# Altium PCB Nixie_MCU.PcbDoc (part 2 of 2)
Units mm, origin at the board's own origin, x right, y up, seen from the top; angles counter-clockwise.
Board outline 188 x 42 mm, 4 copper layers (Signal Layer 1, Layer 1, Layer 2, Bottom Layer), stack 1.466 mm thick; 180 components, 100 nets, 460 pads, 258 vias.
Unrouted connection lines stored in the file: 2.
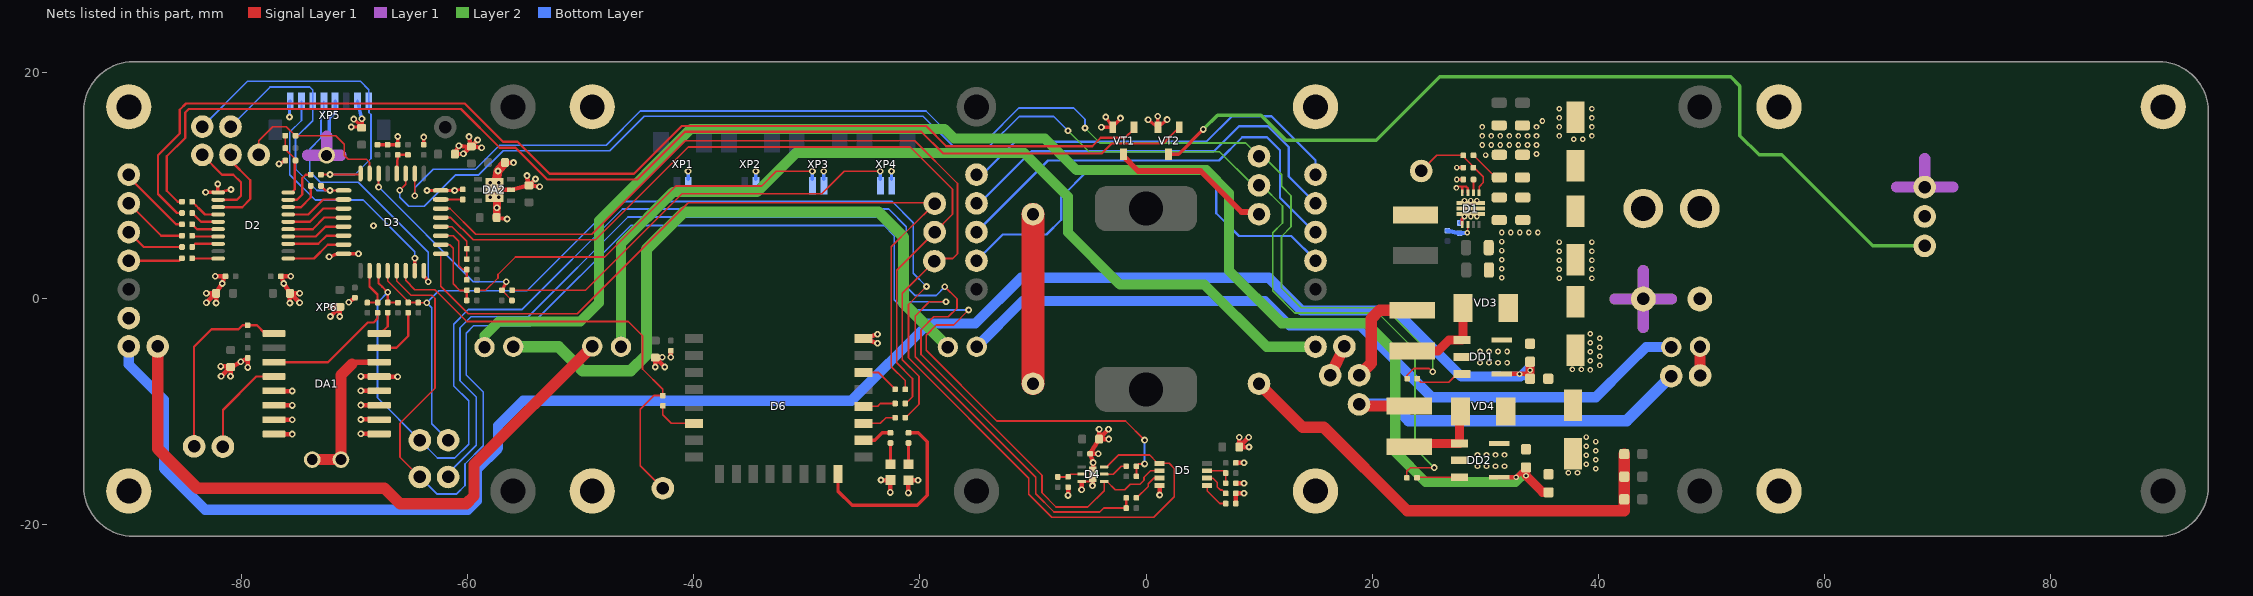
[diagram p4: the nets of this part, all layers, seen from the top]

## Via types
v1: diameter 0.6, hole 0.3, Signal Layer 1 to Bottom Layer, tented both sides, 153 vias
v2: diameter 0.5, hole 0.25, Signal Layer 1 to Bottom Layer, tented both sides, 101 vias
v3: diameter 0.6, hole 0.3, Signal Layer 1 to Bottom Layer, 4 vias

## Nets (pads, with @x,y where several pads share a name; then routed paths per layer and width w, separated by ;. In a path a pad name is that pad's centre, name@x,y a point inside that pad or via, vN(x,y) a via of type N, cw(c..) or ccw(c..) an arc to the next point about the centre after c; other vN are vias at no path point) (continued)
BTN_3: R38.1 XP3.1 | length 34.9
  Signal Layer 1 w0.15: R38.1@-59.189,0.766 -58.434,0.766 -57.341,1.859 -57.341,2.159 -55.783,3.717 -47.891,3.717 -41.607,10 -34,10 -32.701,11.299 v1(-29.515,11.299)
  Bottom Layer w0.3: XP3.1@-29.515,10.578 v1(-29.515,11.299)
BTN_4: R45.1 XP4.1 | length 37.7
  Signal Layer 1 w0.15: R45.1@-56.087,0.772 -55.228,0.772 -49.59,0.772 -41.05,9.311 -28.689,9.311 -26.701,11.299 v1(-23.515,11.299)
  Bottom Layer w0.3: XP4.1@-23.515,10.578 v1(-23.515,11.299)
DIMM_LED_1: D3.2 R5.1 XS41.1 | length 118.3
  Signal Layer 1 w0.15: v1(-64.708,9.13) -64.7,9.75 D3.2@-64.7,11.1 ; R5.1@23.1,-7.05 23.1,-6.75 23.7,-6.15 25.075,-6.15 v1(25.375,-6.45)
  Layer 2 w0.15: v1(-5.4,15.125) -4.075,13.8 8.825,13.8 XS41.1@10,12.625 10.375,12.625 12,11 12,9.958 12.828,9.129 12.828,6.377 11.983,5.532 11.983,0.984 13.751,-0.784 21.111,-0.784 25.375,-5.048 v1(25.375,-6.45)
  Bottom Layer w0.15: v1(-64.708,9.13) -64.708,9.842 -63.075,11.475 -59.325,11.475 -57.2,13.6 -47.761,13.6 -44.734,16.626 -19.471,16.626 -16.944,14.1 -14.05,14.1 -11.25,16.9 -6.4,16.9 -5.4,15.9 v1(-5.4,15.125)
DIMM_LED_2: D3.3 R57.1 XS62.1 | length 126.4
  Signal Layer 1 w0.15: v1(-66.025,9.625) -65.5,10.15 D3.3@-65.5,11.1 ; R57.1@23.075,-15.825 23.075,-15.25 23.4,-14.925 v1(25.5,-14.925)
  Layer 2 w0.15: v1(-6.9,14.875) -5.05,13.025 6.5,13.025 9.475,10.05 XS62.1@10,10.05 10.256,10.05 12.076,8.23 12.076,6.717 11.209,5.849 11.209,0.716 13.17,-1.245 20.53,-1.245 23.798,-4.513 23.798,-13.223 v1(25.5,-14.925)
  Bottom Layer w0.15: v1(-66.025,9.625) -66.025,9 -65.225,8.2 -63.85,8.2 -61.075,10.975 -59.025,10.975 -56.875,13.125 -47.45,13.125 -44.399,16.176 -19.726,16.176 -17.05,13.5 -13.875,13.5 -11.225,16.15 -8.175,16.15 v1(-6.9,14.875)
DIN: XS30.1 XS36.1 | length 35
  Bottom Layer w0.2: XS30.1@-15,11 -14.5,11 -11.6,13.9 5.325,13.9 7.6,16.175 11.094,16.175 15,12.269 XS36.1@15,11
DIN_3.3V: D2.5 D3.12 | length 5.3
  Signal Layer 1 w0.2: D2.5@-75.9,6.175 -73.725,6.175 -72.7,7.2 D3.12@-71,7.2
DIN_5V: R10.2 XS6.1 | length 6.7
  Signal Layer 1 w0.2: XS6.1@-90,11 -90,10.781 -85.819,6.6 R10.2@-85.3,6.6
EN_VCC3.3: D1.8 R1.1 R2.2 XS51.1 | length 8.5
  Signal Layer 1 w0.15: XS51.1@24.35,11.325 25.729,12.704 R2.2@28.073,12.704 28.073,12.602 29.85,10.825 29.85,10.31 29.477,9.937 D1.8@29.477,9.4
GND: C1.1 C2.1 C3.1 C4.1 C5.2 C6.2 C7.2 C8.1 C9.1 C10.1 C11.1 C12.1 C13.1 C14.1 C15.1 C16.1 C17.1 C18.1 C19.1 C20.1 C21.1 C22.1 C23.1 C24.1 C25.1 C26.1 C27.1 C28.1 C29.1 C30.1 C31.1 C32.1 C33.1 C34.1 C35.1 C36.1 C37.2 D1.3 D1.4 D1.10 D1.11 D2.11 D3.16 D3.32 D4.3 D4.7 D5.4 D6.24 DA1.5 DA1.6 DA1.7 DA1.8 DA1.9 DA1.10 DA1.11 DA1.12 DA1.13 DA2.2 DA2.7 DD1.2 DD2.2 pad.16@15,17 pad.16@15,-17 pad.16@44,8 pad.16@56,17 pad.16@56,-17 pad.16@-49,17 pad.16@-49,-17 pad.16@-90,17 pad.16@-90,-17 R1.2 R3.2 R6.1 R18.2 R28.1 R31.2 R32.2 R33.2 VD1.2 VD2.2 VT1.2 VT2.2 XP1.2 XP2.2 XP3.2 XP4.2 XP5.1 XP5.5 XP5.7 XP6.2 XS2.1 XS8.1 XS23.1 | length 138.3
  Signal Layer 1 w0.2: D4.3@-5.695,-16.15 -5.014,-16.15 D4.7@-4.729,-15.865 ; v2(27.464,9.828) 27.586,9.95 27.977,9.95 ; D1.11@27.977,9.4 27.977,9.95 ; D1.10@28.477,9.4 28.477,9.792 28.319,9.95 27.977,9.95
  Signal Layer 1 w0.25: v2(27.496,11.624) R1.2@28.07,11.624 ; v2(27.499,10.568) C3.1@28.073,10.568 ; D1.4@27.97,6.606 27.97,7.094 v2(28.177,7.3)
  Signal Layer 1 w0.3: v1(-83.206,9.437) D2.11@-82.485,9.437 ; v1(-82.134,10.171) -82.134,9.45 D2.11@-82.105,9.42 ; D2.11@-82.1,9.425 v1(-80.963,9.683) ; v1(-76.71,11.952) -76.25,12.19 R6.1@-76.15,12.25 ; v1(-72.277,3.729) D3.16@-71.5,4 ; D3.16@-70.4,4 v1(-69.679,4) ; v1(-70.313,15.21) C19.1@-69.592,15.21 ; v1(-70.089,15.913) C19.1@-69.391,15.304 ; v1(-69.378,15.94) C19.1@-69.313,15.202 ; C18.1@-68,13.65 C17.1@-67.1,13.65 C14.1@-66.379,13.65 ; C14.1@-66.2,13.65 v1(-66.2,14.371) ; C15.1@-63.907,13.648 v1(-63.896,14.325) ; v1(-63.621,9.6) D3.32@-62.9,9.6 ; D3.32@-61.9,9.6 v1(-61.179,9.6) R18.2@-60.456,9.703 ; v1(-3.943,15.197) VT1.2@-2.95,15.2 ; v1(-3.564,16.101) VT1.2@-2.95,15.2 ; v1(-2.26,16.002) VT1.2@-2.95,15.2 ; v1(0.185,15.859) VT2.2@1.05,15.2 ; v1(1.049,16.166) VT2.2@1.05,15.2 ; v1(1.867,15.866) VT2.2@1.05,15.2
  Signal Layer 1 w0.4: v1(-83.137,-0.333) -82.304,0.5 v1(-83.137,0.5) ; v1(-82.362,2) -81.529,2 v1(-81.737,1.368) C12.1@-82.275,0.5 v1(-82.275,-0.362) ; v1(-81.862,-5.971) C21.1@-81,-5.971 ; v1(-81.833,-6.833) -81,-6 v1(-81,-6.833) ; C21.1@-80.691,-5.909 v1(-80.088,-5.565) C20.1@-79.485,-5.222 v1(-79.485,-6.055) ; DA1.8@-76.365,-11.958 v1(-75.532,-11.958) ; DA1.7@-76.365,-10.688 v1(-75.532,-10.688) ; DA1.6@-76.365,-9.418 v1(-75.532,-9.418) ; DA1.5@-76.365,-8.148 v1(-75.532,-8.148) ; v1(-75.75,-0.362) C9.1@-75.75,0.5 v1(-76.288,1.368) -76.496,2 v1(-75.663,2) ; v1(-74.888,-0.333) -75.721,0.5 v1(-74.888,0.5) ; v1(-72.196,-0.695) C16.1@-71.334,-0.695 ; v1(-72.167,-1.557) -71.334,-0.724 v1(-71.334,-1.557) ; v1(-70.547,-0.285) C13.1@-69.994,0.109 ; v1(-69.468,-11.932) DA1.9@-68.635,-11.932 ; v1(-69.468,-10.662) DA1.10@-68.635,-10.662 ; v1(-69.468,-9.392) DA1.11@-68.635,-9.392 ; v1(-69.468,-8.122) DA1.12@-68.635,-8.122 ; v1(-69.468,-6.852) DA1.13@-68.635,-6.852 ; DA1.13@-67.055,-6.878 v1(-66.222,-6.878) ; C26.1@-61.178,12.82 -61.172,12.831 v1(-60.796,13.555) C30.1@-59.879,13.429 ; C26.1@-61.149,12.82 v1(-60.398,12.839) C30.1@-59.84,13.405 ; v1(-59.901,14.362) C30.1@-59.729,13.5 ; v1(-59.142,14.066) C30.1@-59.7,13.5 v1(-58.783,13.374) ; DA2.7@-57.647,9.642 DA2.2@-56.197,9.642 C27.1@-54.6,10.05 v1(-54.772,10.912) ; C28.1@-57.479,7.2 -57.479,7.201 -57.451,7.734 v1(-57.434,8.074) ; C28.1@-57.45,7.2 v1(-56.533,7.074) ; C29.1@-56.723,12.073 v1(-55.966,12.064) ; v1(-54.013,10.616) -54.571,10.05 v1(-53.654,9.924) ; v1(-43.416,-6.024) C31.1@-43.416,-5.19 ; v1(-42.808,-5.156) -43.382,-5.156 C31.1@-43.416,-5.19 ; v1(-42.583,-6.024) C31.1@-43.416,-5.19 ; v1(-42.047,-5.148) C32.1@-42.04,-4.579 ; v1(-23.753,-3.916) -24.993,-3.522 v1(-23.753,-3.127) ; v1(-23.444,-16.021) VD1.2@-22.61,-16.021 ; v1(-22.637,-17.12) VD1.2@-22.637,-16.287 ; v1(-21.023,-17.164) VD2.2@-21.023,-16.33 ; VD2.2@-21.011,-16.036 v1(-20.178,-16.036) ; v1(-6.898,-17.381) R28.1@-6.895,-16.646 ; v1(-5.698,-16.884) D4.3@-5.695,-16.232 ; v1(-4.732,-16.518) D4.7@-4.729,-15.865 ; D4.7@-4.681,-15.128 v1(-4.678,-14.476) C24.1@-4.95,-13.7 ; v1(-4.216,-13.703) C24.1@-4.95,-13.7 ; v1(-4.15,-11.538) -4.15,-12.371 v1(-3.317,-11.538) ; v1(-3.288,-12.4) C22.1@-4.15,-12.4 C24.1@-4.95,-13.7 ; v1(1.2,-17.35) D5.4@1.2,-16.627 ; R33.2@7.95,-18.1 R32.2@7.95,-17.377 ; R32.2@7.95,-17.2 v1(8.673,-17.2) ; R31.2@7.95,-16.3 v1(8.673,-16.3) ; C25.1@7.95,-14.5 v1(8.673,-14.5) ; C23.1@8.25,-13.1 v1(9.112,-13.1) ; v1(8.25,-12.238) 8.25,-13.071 v1(9.083,-12.238)
  Signal Layer 1 w0.7: C28.1@-57.45,7.2 -57.446,7.77 v1(-57.434,8.074) -57.439,9.004 -57.439,9.008 DA2.7@-57.438,9.067
  Signal Layer 1 w0.8: DA2.7@-57.647,9.642 -57.545,10.187 -57.519,10.325 v1(-57.333,11.32) C29.1@-56.723,12.073
  Layer 1 w1: -74.187,12.713 -74.184,12.71 XP6.2@-72.5,12.71 ; -72.5,14.394 XP6.2@-72.5,12.71 ; -71.249,12.71 XP6.2@-72.5,12.71 ; 41.5,0 XS2.1@44,0 ; 44,-2.5 XS2.1@44,0 ; 44,2.5 XS2.1@44,0 ; 46.5,0 XS2.1@44,0 ; 66.4,9.9 XS23.1@68.9,9.9 ; 68.9,12.4 XS23.1@68.9,9.9 ; 71.4,9.9 XS23.1@68.9,9.9
  Layer 2 w1: 41.5,0 XS2.1@44,0 ; 44,-2.5 XS2.1@44,0 ; 44,2.5 XS2.1@44,0 ; 46.5,0 XS2.1@44,0
  Bottom Layer w0.3: v1(-75.785,16.1) -75.785,17.441 XP5.1@-75.726,17.5 ; XP6.2@-72.5,12.71 -72.25,12.96 -72.25,15.971 -71.75,16.471 XP5.5@-71.75,17.5 ; XP5.7@-69.766,17.5 v1(-69.378,15.94) ; XP1.2@-40.515,10.578 v1(-40.515,11.299) ; XP2.2@-34.515,10.578 v1(-34.515,11.299) ; XP3.2@-28.515,10.578 v1(-28.515,11.299) ; XP4.2@-22.515,10.578 v1(-22.515,11.299) ; R3.2@27.75,6.725 v2(28.177,7.3)
  other v1: -68.354,6.477
  other v2: 37.376,-15.38 38.176,-15.38 39.8,-15.025 29.325,-14.8 30.125,-14.8 30.925,-14.8 31.725,-14.8 38.95,-14.625 39.8,-14.225 38.95,-13.825 29.325,-13.8 30.125,-13.8 30.925,-13.8 31.725,-13.8 39.8,-13.425 38.95,-13.025 39.8,-12.625 38.95,-12.225 39.3,-6.275 37.726,-6.23 38.526,-6.23 40.15,-5.875 29.55,-5.65 30.35,-5.65 31.15,-5.65 31.95,-5.65 39.3,-5.475 40.15,-5.075 39.3,-4.675 29.55,-4.65 30.35,-4.65 31.15,-4.65 31.95,-4.65 40.15,-4.275 39.3,-3.875 40.15,-3.475 39.3,-3.075 36.57,1.826 39.45,1.826 31.475,1.875 36.57,2.626 39.45,2.626 31.475,2.675 36.57,3.426 39.45,3.426 31.475,3.475 36.57,4.226 39.45,4.226 31.475,4.275 36.57,5.026 39.45,5.026 31.475,5.075 31.475,5.875 32.275,5.875 33.075,5.875 33.875,5.875 34.675,5.875 28.727,7.3 29.277,7.3 30.05,12.725 34.55,12.825 29.75,13.625 30.55,13.625 31.35,13.625 32.15,13.625 32.95,13.625 33.75,13.625 34.55,13.625 37.85,14.125 38.65,14.125 29.75,14.425 30.55,14.425 31.35,14.425 32.15,14.425 32.95,14.425 33.75,14.425 34.55,14.425 36.57,14.425 39.45,14.425 29.75,15.225 34.55,15.225 36.57,15.225 39.45,15.225 35.075,15.75 36.57,16.025 39.45,16.025 36.57,16.825 39.45,16.825
  other v3: -58.028,9.007 -57.266,9.007 -58.028,10.277 -57.266,10.277
I2C_SCL: D3.19 D4.4 D5.2 R13.2 R15.1 XS43.1 | length 128.6
  Signal Layer 1 w0.15: v1(-17.8,1.075) -16.715,-0.01 -16.715,-0.796 -17.503,-1.584 -18.779,-1.584 -19.91,-2.715 -19.91,-4.908 -9.205,-15.612 -9.205,-17.159 -7.958,-18.406 -5.156,-18.406 -3.705,-16.955 D4.4@-3.705,-16.15 -3.45,-16.15 -2.721,-16.879 -1.879,-16.879 -1.391,-16.391 -0.534,-16.391 -0.172,-16.029 -0.172,-15.772 0.4,-15.2 D5.2@1.2,-15.2
  Signal Layer 1 w0.2: D3.19@-67.9,2.5 -67.9,1.4 -67.583,1.083 -67.146,0.646 v1(-67.088,0.588) ; R15.1@-67.088,-0.314 v1(-67.088,0.588) ; R15.1@-67.013,-0.324 R13.2@-66.187,-0.324
  Bottom Layer w0.15: v1(-67.088,0.588) -67.942,-0.265 ccw(c-67.8,-0.406) -68,-0.406 -68,-8.75 XS43.1@-64.25,-12.5 -62.682,-14.068 -61.159,-14.068 -59.933,-12.842 -59.933,-9.017 -61.252,-7.698 -61.252,-2.227 -59.95,-0.925 -55.2,-0.925 -46.32,7.955 -22.762,7.955 -21.206,6.398 -21.206,1.073 -20.431,0.298 -18.577,0.298 v1(-17.8,1.075)
I2C_SDA: D3.20 D4.6 D5.1 R12.2 R16.1 XS42.1 | length 119.5
  Signal Layer 1 w0.15: D3.20@-67.1,2.5 -67.1,1.589 -65.334,-0.177 -65.287,-0.177 -65.141,-0.176 R16.1@-65.286,-0.318 R12.2@-64.389,-0.318 ; R12.2@-64.533,-0.343 v1(-63.636,-0.343) ; v1(-19.425,1.1) -21.011,-0.486 -21.011,-5.201 -10.362,-15.85 -10.362,-17.275 -8.33,-19.306 0.694,-19.306 2.5,-17.5 2.5,-15 2.05,-14.55 D5.1@1.2,-14.55 ; D4.6@-3.705,-14.85 -3.473,-14.85 -2.423,-13.8 0.308,-13.8 D5.1@0.978,-14.47
  Bottom Layer w0.15: XS42.1@-61.75,-12.5 -63.207,-11.043 -63.207,-0.771 v1(-63.636,-0.343) -62.568,0.725 -54.77,0.725 -46.876,8.619 -22.465,8.619 -20.603,6.757 -20.603,2.278 v1(-19.425,1.1)
I\N\T\\/SQW: D3.18 R11.2 R17.1 | length 4
  Signal Layer 1 w0.2: R11.2@-68.891,-0.32 -67.992,-0.32 R17.1@-67.988,-0.316 -67.988,0.388 -68.7,1.1 D3.18@-68.7,2.5
INS_EN_3.3V: D2.6 D3.11 | length 5.4
  Signal Layer 1 w0.2: D2.6@-75.9,6.825 -73.975,6.825 -72.8,8 D3.11@-71,8
INS_EN_5V: D2.15 R23.2 | length 2.6
  Signal Layer 1 w0.2: R23.2@-84.395,7.603 -83.618,6.825 D2.15@-82.1,6.825
INT_OPT: D3.21 R34.2 R36.1 XS44.1 | length 129.7
  Signal Layer 1 w0.15: D3.21@-66.3,2.5 -66.3,1.595 -65.037,0.332 -63.198,0.332 -62.905,0.038 -62.905,-7.905 -66,-11 -66,-14 XS44.1@-64.25,-15.75 ; v1(-15.7,-0.975) -17.025,-2.3 -18.55,-2.3 -19.45,-3.2 -19.45,-4.55 -13.2,-10.8 -1.809,-10.8 v1(-0.122,-12.487)
  Signal Layer 1 w0.2: R36.1@-0.85,-15.7 R34.2@-0.85,-14.8 -0.647,-14.597 v1(-0.123,-14.597)
  Bottom Layer w0.15: XS44.1@-64.25,-15.75 -62.75,-17.25 -61,-17.25 -60.25,-16.5 -60.25,-14.6 -58.644,-12.994 -58.644,-8.231 -60.15,-6.725 -60.15,-3.025 -59.5,-2.375 -54.479,-2.375 -45.602,6.502 -23.185,6.502 -22.282,5.599 -22.282,-0.068 -21.375,-0.975 v1(-15.7,-0.975)
  Bottom Layer w0.2: v1(-0.123,-14.597) v1@-0.123,-12.488
JDY_PWRC: D3.25 R50.1 XS47.1 | length 70.2
  Signal Layer 1 w0.15: D3.25@-62.4,4 -62.4,1.133 -59.957,-1.31 -50.31,-1.31 -40.489,8.511 -18.758,8.511 XS47.1@-18.686,8.438 -20.72,6.404 -20.746,6.404 -22.532,4.618 -22.532,-5.992 -21.306,-7.219 R50.1@-21.306,-7.994
JDY_STAT: D3.22 R49.1 XS48.1 | length 40.2
  Signal Layer 1 w0.15: D3.22@-65.5,2.5 -65.5,1.64 -64.687,0.827 -62.924,0.827 -62.621,0.524 -60.097,-2 -45.8,-2 -44.55,-3.25 -44.55,-6.2 -42.75,-8 R49.1@-42.75,-8.55 -43.55,-8.55 -44.75,-9.75 -44.75,-14.75 XS48.1@-42.75,-16.75
NetC3_2: C3.2 D1.9 | length 1.2
  Signal Layer 1 w0.2: C3.2@28.973,10.568 28.977,10.418 28.977,9.795 cw(c28.477,9.792) 28.977,9.792 D1.9@28.977,9.4
NetC14_2: C14.2 D3.4 R19.2 | length 2.6
  Signal Layer 1 w0.2: D3.4@-66.3,11.1 C14.2@-66.2,12.75 R19.2@-65.3,12.75
NetD1_2: D1.2 L1.1
NetD1_5: D1.5 R3.1 R4.2 | length 2.5
  Signal Layer 1 w0.15: v2(28.427,5.861) 28.468,6.375 D1.5@28.477,6.6
  Bottom Layer w0.4: R4.2@26.675,6.025 R3.1@27.75,5.825 v2(28.427,5.861)
NetD2_16: D2.16 R10.1 | length 2.5
  Signal Layer 1 w0.2: R10.1@-84.4,6.6 -83.975,6.175 D2.16@-82.1,6.175
NetD2_17: D2.17 R9.1 | length 2.3
  Signal Layer 1 w0.2: R9.1@-84.4,5.6 -84.325,5.525 D2.17@-82.1,5.525
NetD2_18: D2.18 R8.1 | length 2.4
  Signal Layer 1 w0.2: R8.1@-84.4,4.6 -84.125,4.875 D2.18@-82.1,4.875
NetD2_20: D2.20 R7.1 | length 2.3
  Signal Layer 1 w0.2: R7.1@-84.4,3.6 -84.375,3.575 D2.20@-82.1,3.575
NetD3_6: D3.6 R41.2 R45.2 | length 18.1
  Signal Layer 1 w0.15: R45.2@-56.987,0.772 -56.987,0.755 R41.2@-56.099,-0.132
  Signal Layer 1 w0.2: v1@-67.9,9.916 D3.6@-67.9,11.1
  Signal Layer 1 w0.3: R45.2@-56.987,0.772 -56.599,1.511 v1(-56.603,1.518)
  Bottom Layer w0.15: v1(-67.9,9.9) -59.518,1.518 v1(-56.603,1.518)
NetD3_7: D3.7 R46.2 XS46.1 | length 14.4
  Signal Layer 1 w0.15: XS46.1@-78.5,12.75 -78.5,14 -77.25,15.25 -76.056,15.25 R46.2@-75.258,14.453 ; R46.2@-75.25,14.453 -71.703,14.453 -70.943,13.693 -70.943,12.714 -70.59,12.361 -68.968,12.361 -68.7,12.093 D3.7@-68.7,11.1
NetD3_26: D3.26 R38.2 R42.2 | length 6.7
  Signal Layer 1 w0.15: D3.26@-62.4,4.8 -61.6,4.8 -61.3,4.5 -61.3,1.341 -60.711,0.753 R38.2@-60.102,0.753
  Signal Layer 1 w0.2: R42.2@-60.102,-0.132 R38.2@-60.102,0.753
NetD3_27: D3.27 R39.2 R43.2 | length 5.7
  Signal Layer 1 w0.15: D3.27@-62.4,5.6 -61.3,5.6 -60.8,5.1 -60.8,2.945 -60.455,2.6 R43.2@-60.1,2.6
  Signal Layer 1 w0.2: R43.2@-60.1,2.6 -60.094,2.594 R39.2@-60.094,1.688
NetD3_28: D3.28 R40.2 R44.2 | length 4.4
  Signal Layer 1 w0.15: D3.28@-62.4,6.4 -61.4,6.4 -60.102,5.102 R40.2@-60.102,3.519
NetD3_31: D3.31 R18.1 | length 2
  Signal Layer 1 w0.2: D3.31@-62.4,8.8 R18.1@-60.45,8.8
NetD4_2: D4.2 R28.2 R29.2 | length 2.2
  Signal Layer 1 w0.15: R29.2@-7.8,-15.75 -7.796,-15.746 R28.2@-6.895,-15.746 -6.648,-15.5 D4.2@-5.695,-15.5
NetD4_5: D4.5 R34.1 | length 2.2
  Signal Layer 1 w0.15: D4.5@-3.705,-15.5 -2.9,-15.5 -2.2,-14.8 R34.1@-1.75,-14.8
NetD5_3: D5.3 R35.1 | length 2.9
  Signal Layer 1 w0.15: R35.1@-0.85,-17.6 -0.818,-17.6 0.195,-16.587 0.195,-16.337 0.682,-15.85 D5.3@1.2,-15.85
NetD5_5: D5.5 R33.1 | length 2.6
  Signal Layer 1 w0.15: D5.5@5.39,-16.5 5.416,-16.526 5.416,-16.991 6.525,-18.1 R33.1@7.05,-18.1
NetD5_6: D5.6 R32.1 | length 2.5
  Signal Layer 1 w0.15: D5.6@5.393,-15.853 5.928,-15.853 6.311,-16.236 6.311,-16.638 6.569,-16.896 6.737,-16.896 ccw(c6.9,-16.45) 6.751,-16.901 R32.1@7.05,-17.2
NetD5_7: D5.7 R30.1 R31.1 | length 2.6
  Signal Layer 1 w0.15: D5.7@5.39,-15.2 6.85,-15.2 R30.1@7.05,-15.4 R31.1@7.05,-16.3
NetD6_6: D6.6 R49.2 | length 3.9
  Signal Layer 1 w0.15: R49.2@-42.75,-9.45 -42.75,-10.25 -42,-11 D6.6@-40,-11
NetD6_16: D6.16 R51.2 | length 17
  Signal Layer 1 w0.3: D6.16@-27.25,-15.5 -27.25,-17 -26,-18.25 -20.25,-18.25 -19.355,-17.355 -19.355,-12.645 -20.15,-11.85 R51.2@-21.011,-11.85
NetD6_18: D6.18 R52.2 | length 2.7
  Signal Layer 1 w0.3: D6.18@-25,-12.5 -24,-12.5 -23.35,-11.85 R52.2@-22.61,-11.85
NetD6_19: D6.19 R47.2 | length 3
  Signal Layer 1 w0.15: D6.19@-25,-11 -23.5,-11 -23,-10.5 R47.2@-22.2,-10.5
NetD6_20: D6.20 R48.2 | length 2.9
  Signal Layer 1 w0.15: D6.20@-25,-9.5 -23.75,-9.5 -23.5,-9.25 R48.2@-22.2,-9.25
NetD6_22: D6.22 R50.2 | length 3.4
  Signal Layer 1 w0.15: D6.22@-25,-6.5 -23.7,-6.5 R50.2@-22.2,-8
NetDA1_1: DA1.1 R14.2 XS21.1 | length 17
  Signal Layer 1 w0.2: XS21.1@-84.223,-13.045 -84.223,-4.223 -82.682,-2.682 -80.292,-2.682 -79.932,-2.322 R14.2@-79.485,-2.322 ; R14.2@-79.485,-2.332 -78.668,-2.332 -77.945,-3.055 DA1.1@-77.155,-3.055
NetDA1_3: DA1.3 R17.2 | length 11.3
  Signal Layer 1 w0.2: DA1.3@-77.155,-5.595 -72.383,-5.595 -68.864,-2.076 -68.326,-2.076 -67.988,-1.738 R17.2@-67.988,-1.216
NetDA1_4: DA1.4 XS20.1 | length 9
  Signal Layer 1 w0.2: XS20.1@-81.673,-13.067 -81.673,-9.817 -78.72,-6.865 DA1.4@-77.155,-6.865
NetDA1_14: DA1.14 XP6.1 | length 13.9
  Signal Layer 1 w0.5: -70.25,-5.75 -70.095,-5.595 DA1.14@-67.845,-5.595
  Signal Layer 1 w1: XP6.1@-73.77,-14.21 XP6.1@-71.23,-14.21 -71.23,-6.73 -70.25,-5.75
NetDA1_15: DA1.15 R16.2 | length 5.1
  Signal Layer 1 w0.2: DA1.15@-67.845,-4.325 -66.325,-4.325 -65.286,-3.286 R16.2@-65.286,-1.218
NetDA1_16: DA1.16 R15.2 | length 2.2
  Signal Layer 1 w0.2: DA1.16@-67.845,-3.055 -67.722,-3.055 -67.088,-2.421 R15.2@-67.088,-1.214
NetDD1_1: DD1.1 L2.1 VD3.1 | length 7.7
  Signal Layer 1 w0.8: L2.1@23.55,-4.6 25.85,-4.6 26.825,-3.625 DD1.1@27.975,-3.625 28.05,-3.55 VD3.1@28.05,-0.8
NetDD1_3: DD1.3 R5.2 | length 4.4
  Signal Layer 1 w0.15: R5.2@24,-7.05 24.325,-7.375 26.775,-7.375 27.525,-6.625 DD1.3@27.975,-6.625
NetDD1_4: DD1.4 R53.1 R54.1 XS15.1 | length 153.8
  Signal Layer 1 w0.4: DD1.4@31.48,-6.625 33.55,-6.625 R54.1@33.989,-7.063
  Signal Layer 1 w0.8: R54.1@33.989,-7.063 v2(33.989,-6.312) R53.1@33.988,-5.561
  Bottom Layer w0.9: XS15.1@-90,-4.2 -90,-5.8 -86.9,-8.9 -86.9,-15 -83.25,-18.65 -60,-18.65 -59.2,-17.85 -59.2,-15.075 -57.325,-13.2 -57.325,-11.2 -55.125,-9 -26.075,-9 -19.25,-2.175 -15.094,-2.175 -11.039,1.88 10.876,1.88 13.786,-1.03 22.067,-1.03 27.912,-6.875 33.15,-6.875 v2@33.851,-6.174
  other v2: 33.05,-6.65
NetDD2_1: DD2.1 L3.1 VD4.1 | length 7.4
  Signal Layer 1 w0.8: L3.1@23.3,-13.075 23.6,-12.775 DD2.1@27.75,-12.775 27.75,-10.025 VD4.1@27.825,-9.95
NetDD2_3: DD2.3 R57.2 | length 3.8
  Signal Layer 1 w0.15: R57.2@23.975,-15.825 24.025,-15.775 DD2.3@27.75,-15.775
NetDD2_4: DD2.4 R55.1 R56.1 XS55.1 | length 133.3
  Signal Layer 1 w0.4: DD2.4@31.255,-15.775 v2(32.75,-15.775) R55.1@33.625,-14.9
  Signal Layer 1 w0.8: R55.1@33.625,-14.9 v2(33.625,-15.64) 35.096,-17.111 R56.1@35.613,-17.111
  Layer 2 w0.9: XS55.1@-58.532,-4.262 -58.532,-3.257 -57.275,-2 -50.05,-2 -48.4,-0.35 -48.4,6.92 -40.27,15.05 -17.825,15.05 -16.975,14.2 -8.95,14.2 -6.15,11.4 5.325,11.4 7.35,9.375 7.35,2.5 11.997,-2.147 19.497,-2.147 22.05,-4.7 22.05,-13.525 24.725,-16.2 32.7,-16.2 33.425,-15.475
NetL2_2: L2.2 XS14.1 | length 9.4
  Signal Layer 1 w1: XS14.1@18.855,-6.753 19.925,-5.683 19.925,-1.75 20.675,-1 L2.2@23.55,-1
NetL3_2: L3.2 XS35.1 XS54.1 | length 34.4
  Signal Layer 1 w1: XS35.1@18.85,-9.325 19,-9.475 L3.2@23.3,-9.475
  Bottom Layer w1: XS35.1@18.85,-9.325 21.785,-9.325 23.227,-10.767 42.533,-10.767 XS54.1@46.475,-6.825
NetR20_1: R20.1 R21.1 R22.1 XS16.1 | length 42
  Signal Layer 1 w1: XS16.1@10,-7.5 13.85,-11.35 15.725,-11.35 23.102,-18.727 42.313,-18.727 R20.1@42.313,-17.727 R21.1@42.313,-15.727 R22.1@42.313,-13.727
NetR23_1: R23.1 VT1.1 | length 101.6
  Signal Layer 1 w0.2: R23.1@-85.295,7.603 -85.73,7.603 -87.414,9.286 -87.414,12.72 -85.5,14.634 -85.5,16.75 -84.95,17.3 -60.285,17.3 -56.885,13.901 -55.601,13.901 -52.769,11.069 -45.298,11.069 -41.067,15.3 -19.442,15.3 -17.664,13.522 -4.745,13.522 -4,14.267 -1.854,14.267 -1.05,15.07 VT1.1@-1.05,15.2
NetR24_1: R24.1 VT2.1 | length 103.5
  Signal Layer 1 w0.2: R24.1@-85.297,8.606 -85.676,8.606 -86.634,9.564 -86.634,12.616 -85,14.25 -85,16.5 -84.7,16.8 -82.081,16.8 -60.613,16.8 -57.189,13.376 -55.783,13.376 -55.054,12.646 ; -55.004,12.596 -52.976,10.569 -45.017,10.569 -40.786,14.8 -19.881,14.8 -17.946,12.864 -3.912,12.864 -3.027,13.75 1.5,13.75 VT2.1@2.95,15.2
NetR35_2: R35.2 R37.1 XS45.1 | length 101.4
  Signal Layer 1 w0.15: v1(-17.7,-0.25) -19.17,-0.25 -20.426,-1.506 -20.426,-5.099 -9.75,-15.776 -9.75,-17.25 -8.144,-18.856 -4.106,-18.856 -3.75,-18.5 R37.1@-1.75,-18.5
  Signal Layer 1 w0.2: R37.1@-1.75,-18.5 R35.2@-1.75,-17.6
  Bottom Layer w0.15: XS45.1@-61.75,-15.75 -61.75,-15.431 -59.253,-12.933 -59.253,-8.672 -60.7,-7.225 -60.7,-2.55 -59.725,-1.575 -54.652,-1.575 -45.827,7.249 -22.939,7.249 -21.728,6.038 -21.728,0.451 -21.027,-0.25 v1(-17.7,-0.25)
NetR51_1: R51.1 VD2.1 | length 1.9
  Signal Layer 1 w0.3: VD2.1@-21.011,-14.636 R51.1@-21.011,-12.75
NetR52_1: R52.1 VD1.1 | length 1.9
  Signal Layer 1 w0.3: VD1.1@-22.61,-14.621 R52.1@-22.61,-12.75
NetVT1_3: VT1.3 XS19.1 | length 14.3
  Signal Layer 1 w0.5: VT1.3@-2,12.8 -2,12.63 -0.695,11.325 4.825,11.325 8.45,7.7 9.8,7.7 XS19.1@10,7.5
NetVT2_3: VT2.3 XS24.1 | length 80.3
  Signal Layer 1 w0.3: VT2.3@2,12.8 2.88,12.801 v1(5.075,15)
  Layer 2 w0.3: v1(5.075,15) 6.325,16.25 10.175,16.25 12.389,14.036 20.368,14.036 25.988,19.656 51.731,19.656 52.546,18.841 52.546,14.454 54.25,12.75 56.25,12.75 64.3,4.7 XS24.1@68.9,4.7
NetXS10_1: XS10.1 XS11.1 | length 56.9
  Signal Layer 1 w1: XS10.1@-87.445,-4.203 -87.445,-13.255 -83.95,-16.75 -67.375,-16.75 -66,-18.125 -60.15,-18.125 -59.45,-17.425 -59.45,-14.65 XS11.1@-49,-4.2
NetXS12_1: XS12.1 XS13.1 | length 82.8
  Layer 2 w0.9: XS12.1@-46.45,-4.225 -46.45,4.867 -41.865,9.452 -34.448,9.452 -31,12.9 -10.75,12.9 -6.9,9.05 -6.9,5.875 -2.309,1.284 5.166,1.284 10.675,-4.225 XS13.1@15,-4.225
NetXS17_1: XS17.1 XS18.1 | length 15
  Signal Layer 1 w2: XS17.1@-10,-7.5 XS18.1@-10,7.5
NetXS52_1: XS52.1 XS53.1 | length 2.9
  Signal Layer 1 w1: XS53.1@16.3,-6.75 XS52.1@17.555,-4.203 XS52.1@17.525,-4.233
NetXS56_1: XS56.1 XS57.1 | length 59
  Layer 2 w1: XS56.1@-55.98,-4.231 -51.969,-4.231 -49.85,-6.35 -45.6,-6.35 -44.2,-4.95 -44.2,4.392 -40.892,7.7 -23.675,7.7 -21.45,5.475 -21.45,-0.344 XS57.1@-17.532,-4.262
NetXS58_1: XS58.1 XS59.1 | length 68.5
  Bottom Layer w0.9: XS58.1@-14.98,-4.231 -10.925,-0.176 10.517,-0.176 12.693,-2.352 18.929,-2.352 25.282,-8.705 39.791,-8.705 42.692,-5.804 44.234,-4.262 XS59.1@46.468,-4.262
NetXS60_1: XS60.1 XS61.1 | length 2.5
  Signal Layer 1 w1: XS60.1@49.02,-4.231 49.02,-6.77 XS61.1@49.025,-6.775
OE: XS31.1 XS37.1 | length 37.2
  Bottom Layer w0.2: XS31.1@-15,8.46 -14.727,8.46 -10.124,13.064 6.014,13.064 8.225,15.275 10.797,15.275 12.625,13.447 12.625,10.835 XS37.1@15,8.46
OE_3.3V: D2.4 D3.13 | length 5.3
  Signal Layer 1 w0.2: D2.4@-75.9,5.525 -73.456,5.525 -72.581,6.4 D3.13@-71,6.4
OE_5V: R9.2 XS5.1 | length 5.9
  Signal Layer 1 w0.2: XS5.1@-89.96,8.5 XS5.1@-90,8.46 -87.14,5.6 R9.2@-85.3,5.6
PA2_3.3V: D2.9 R25.2 | length 3.8
  Signal Layer 1 w0.2: D2.9@-75.9,8.775 -75.125,8.775 -74.65,9.25 -74.65,10.7 -74.35,11 R25.2@-73.9,11
PA2_5V: D2.12 XS26.1 | length 7.8
  Signal Layer 1 w0.2: XS26.1@-83.5,12.75 -81.75,11 -80.75,11 -80.073,10.323 -80.073,9.127 -80.425,8.775 D2.12@-82.1,8.775
PA3_3.3V: D2.8 R26.2 | length 3.4
  Signal Layer 1 w0.2: D2.8@-75.9,8.125 -74.775,8.125 -73.9,9 R26.2@-73.9,10
PA3_5V: D2.13 XS25.1 | length 7.8
  Signal Layer 1 w0.2: D2.13@-82.1,8.125 -79.975,8.125 -79.25,8.85 -79.25,10.5 -81,12.25 XS25.1@-81,12.75
RCK: XS32.1 XS38.1 | length 39.7
  Bottom Layer w0.2: XS32.1@-15,5.92 -8.665,12.255 6.455,12.255 8.505,14.305 10.698,14.305 11.85,13.153 11.85,8.95 14.88,5.92 XS38.1@15,5.92 XS38.1@15,6.176
RCK_3.3V: D2.3 D3.14 | length 5.2
  Signal Layer 1 w0.2: D2.3@-75.9,4.875 -73.23,4.875 -72.505,5.6 D3.14@-71,5.6
RCK_5V: R8.2 XS4.1 | length 5.2
  Signal Layer 1 w0.2: XS4.1@-90,5.92 -88.68,4.6 R8.2@-85.3,4.6
SCK: XS33.1 XS39.1 | length 39.3
  Bottom Layer w0.2: XS33.1@-15,3.38 -12.68,5.7 -8.8,5.7 -7.5,7 -7.5,9 -5.1,11.4 4.8,11.4 6.225,9.975 6.225,7.575 8.225,5.575 12.861,5.575 15,3.436 XS39.1@15,3.38
SCK_3.3V: D2.1 D3.15 | length 5.4
  Signal Layer 1 w0.2: D2.1@-75.9,3.575 -73.625,3.575 -72.4,4.8 D3.15@-71,4.8
SCK_5V: R7.2 XS3.1 | length 4.8
  Signal Layer 1 w0.2: XS3.1@-90,3.38 -85.52,3.38 R7.2@-85.3,3.6
SHDN_170V_3.3V: D2.7 D3.10 | length 5.4
  Signal Layer 1 w0.2: D2.7@-75.9,7.475 -74.125,7.475 -72.8,8.8 D3.10@-71,8.8
SHDN_170V_5V: D2.14 R24.2 | length 2.8
  Signal Layer 1 w0.2: R24.2@-84.397,8.606 -84.043,8.253 -84.038,8.253 -83.745,7.96 -83.745,7.955 -83.265,7.475 D2.14@-82.1,7.475
SWCLK: D3.24 XP5.4 | length 23.6
  Signal Layer 1 w0.3: D3.24@-63.91,2.122 v1(-63.498,1.519)
  Bottom Layer w0.15: XP5.4@-72.742,17.5 -72.742,16.508 -73,16.25 -73,14.25 -74,13.25 -74,11.25 -73.066,10.316 -69.697,10.316 -63.498,4.117 v1(-63.498,1.519)
SWDIO: D3.23 XP5.2 | length 22.1
  Signal Layer 1 w0.3: D3.23@-64.69,2.878 v1(-64.69,3.599)
  Bottom Layer w0.15: XP5.2@-74.726,17.5 -74.726,15.79 -75.75,14.766 -75.75,11 -73.5,8.75 -69.25,8.75 -64.69,4.19 v1(-64.69,3.599)
TXS_OE: D2.10 R6.2 R27.1 R46.1 | length 5.8
  Signal Layer 1 w0.15: R46.1@-76.15,14.453 R27.1@-76.15,13.352 -76.15,13.258 -75.25,12.358 R6.2@-75.25,12.25
  Signal Layer 1 w0.2: D2.10@-75.9,9.425 -75.575,9.425 -75.318,9.682 R6.2@-75.318,12.25
UART1_RX: D3.9 R26.1 XP5.3 XS28.1 | length 22.4
  Signal Layer 1 w0.2: R26.1@-73,10 -72.6,9.6 D3.9@-71,9.6
  Bottom Layer w0.15: XS28.1@-81,15.25 -77.5,18.75 -74,18.75 -73.734,18.484 XP5.3@-73.734,17.5 -73.734,15.766 -75.25,14.25 -75.25,11.5 -73.35,9.6 v1(-72.2,9.6)
UART1_TX: D3.8 R25.1 XP5.8 XS27.1 | length 30.6
  Signal Layer 1 w0.2: R25.1@-73,11 -72.85,11.015 v1(-72.2,11.015) ; v1@-72.2,11.017 -69.583,11.017 D3.8@-69.5,11.1
  Bottom Layer w0.15: XS27.1@-83.5,15.25 -79.5,19.25 -69.5,19.25 -68.774,18.524 XP5.8@-68.774,17.5 -68.75,17.476 -68.75,16.5 -68.575,16.325 -68.575,12.425 -69.985,11.015 v1(-72.2,11.015)
UART2_RX: D3.30 R47.1 XS50.1 | length 76.3
  Signal Layer 1 w0.15: D3.30@-62.4,8 -61.58,8 -59.308,5.728 -49.043,5.728 -40.77,14 -20.461,14 -16.676,10.215 -16.676,4.004 -17.1,3.58 -18.478,3.58 XS50.1@-18.718,3.34 -21.557,0.501 -21.557,-5.376 -20.085,-6.848 -20.085,-9.311 -21.275,-10.5 R47.1@-21.3,-10.5
UART2_TX: D3.29 R48.1 XS49.1 | length 72.9
  Signal Layer 1 w0.15: D3.29@-62.4,7.2 -61.509,7.2 -59.536,5.227 -48.712,5.227 -40.486,13.453 -20.881,13.453 -17.126,9.698 -17.126,7.492 XS49.1@-18.706,5.913 -18.706,5.896 -22.054,2.548 -22.054,-5.659 -20.666,-7.047 -20.666,-8.657 -21.26,-9.25 R48.1@-21.3,-9.25
VIN: C1.2 C2.2 C5.1 C6.1 C7.1 C33.2 C34.2 C37.1 D1.1 DD1.5 DD2.5 pad.16@49,8 pad.16@90,17 R2.1 R53.2 R54.2 R55.2 R56.2 VD3.2 VD4.2 XS1.1 XS22.1 | length 3.1
  Signal Layer 1 w0.15: R2.1@28.973,12.704 30.923,10.755 C33.2@31.267,10.755
  other v2: 28.177,8.7 28.727,8.7 29.277,8.7
pads on no net: D1.7 D2. D3. D5. D6.2 D6.3 D6.4 D6.5 D6.7 D6.8 D6.9 D6.10 D6.11 D6.12 D6.13 D6.14 D6.15 D6.17 D6.21 D6.23 VD3. VD4. VT1. VT2. XP1.K1 XP1.K2 XP2.K1 XP2.K2 XP3.K1 XP3.K2 XP4.K1 XP4.K2 XP5.SH1 XP5.SH2

## Polygon pours and split planes (outlines as drawn)
+3.3V on Layer 2 "NONET_L-01_P-001" (solid, remove dead copper, pour order 6): -60.75,17.5 -71.5,17.5 -75.25,13.75 -75.25,10 -78.75,6.5 -80.75,6.5 -84.25,3 -84.25,-4.25 -83.599,-4.901 -78,-4.901 -78,-5.679 -69.179,-14.5 -12.5,-14.5 -10,-17 -7.5,-19.5 9.5,-19.5 11.25,-17.75 11.25,-13 9.5,-11.25 -1.75,-11.25 -2.25,-10.75 -4,-10.75 -5.75,-9 -5.75,-4.75 -7.695,-2.805 -50.445,-2.805 -58.25,5 -59.5,5 -60.5,6 -60.5,17.222
GND on Layer 2 "NONET_L-01_P-001" (solid, pour order 31): 27.583,7.941 27.575,7.933 27.575,6.539 28.307,5.807 28.307,3.378 26.359,1.43 26.359,-13.756 27.77,-15.167 32.003,-15.167 32.866,-14.304 34.731,-14.304 40.387,-19.96 90.445,-19.96 93.008,-17.396 93,-17.388 93,18 91,20 54.941,20 53.541,18.599 53.541,15.184 54.888,13.837 56.937,13.837 64.49,6.284 70.052,6.284 71.087,5.25 71.087,3.864 70.169,2.947 64.053,2.947 57,10 29.639,10 27.576,7.938
+5V on Layer 2 "NONET_L-01_P-001" (solid, pour order 30): 13.856,1.632 13.856,0.388 14.427,-0.184 23.645,-0.184 27.82,3.991 27.82,5.504 27.107,6.218 27.107,8.057 30.049,11 47.08,11 51.416,15.336 51.416,17.639 50.128,18.927 26.927,18.927 17,9 17,3 15.899,1.899 14.125,1.899 13.852,1.626
+5V on Layer 2 "NONET_L-01_P-001" (solid, pour order 7): -55.28,19.452 -55.327,19.5 -57.25,19.5 -58.5,18.25 -59.938,16.812 -59.938,6.688 -59.25,6 -53.5,6 -51.5,8 -51.5,14 -52.5,15 -52.5,18.25 -53.75,19.5 -55.5,19.5
VIN on Bottom Layer "NONET_L-01_P-001" (solid, pour order 16): 47,11 47,-0.5 48,-1.5 80.5,-1.5 92.5,10.5 92.5,18 91,19.5 65.5,19.5 58.5,12.5 48.5,12.5
GND on Signal Layer 1 "NONET_L-01_P-001" (solid, pour order 27): 29.6,1.575 40.75,1.575 45.975,6.8 45.975,9.05 45,10.025 43.125,10.025 41.525,8.425 41.525,6.975 40.075,5.525 36.275,5.525 33.825,7.975 30.825,7.975 30.277,7.427 30.277,5.527 29.35,4.6 29.35,1.825
VIN on Signal Layer 1 "Signal Layer 1-VIN" (solid, pour order 25): 30.375,-12.975 30.4,-13 32.475,-13 33.375,-13.9 34.25,-13.9 34.825,-14.475 34.825,-15.725 35.1,-16 36.025,-16 36.25,-15.775 36.25,-11.875 36.975,-11.15 50.125,-11.15 51.25,-10.025 51.25,-3.325 51.225,-3.325 51.225,10.15 48.225,13.15 36.4,13.15 34.55,11.3 30.75,11.3 30.275,10.825 30.275,8.575 30.525,8.325 34.2,8.325 36.5,6.025 39.7,6.025 40.725,7.05 40.725,8.625 42.675,10.575 45.55,10.575 46.525,9.6 46.525,6.55 42.875,2.9 42.825,2.9 41.075,1.15 30.85,1.15 30.225,0.525 30.225,-3.45 30.6,-3.825 32.8,-3.825 33.6,-4.625 34.5,-4.625 34.95,-5.075 34.95,-7.5 33.95,-8.5 31.05,-8.5 30.375,-9.175
GND on Signal Layer 1 "NONET_L-01_P-001" (solid, pour order 29): 43.25,14.3 40.025,17.525 36,17.525 34.4,15.925 29.225,15.925 28.6,15.3 28.6,14.075 29.7,12.975 29.7,12.625 30.2,12.125 34.525,12.125 36.05,13.65 43.1,13.65 43.25,13.8
+5V on Signal Layer 1 "NONET_L-01_P-001" (solid, pour order 28): 28.998,5.243 29,5.241 29,1.875 28.575,1.45 20.8,1.45 17.775,-1.575 14.5,-1.575 13.625,-0.7 13.625,1.275 14.225,1.875 16.1,1.875 16.95,2.725 16.95,14.5 21.925,19.475 50.25,19.475 51.225,18.5 51.225,15.475 49.5,13.75 44.65,13.75 40.35,18.05 35.75,18.05 34.3,16.6 29.3,16.6 26.325,13.625 23.8,13.625 20.775,10.6 20.775,6.35 22.175,4.95 26.775,4.95 27.068,5.243
GND on Layer 1 "NONET_L-01_P-001" (solid, pour order 5): -93.127,-16.586 ccw(c-89.586,-16.586) -89.586,-20.127 89.586,-20.127 ccw(c89.586,-16.586) 93.127,-16.586 93.127,16.586 ccw(c89.586,16.586) 89.586,20.127 56.414,20.127 -89.586,20.127 ccw(c-89.586,16.586) -93.127,16.586

## Other copper
Signal Layer 1:
  region net NetD1_2: 21.798,8.35 27.177,8.35 27.352,8.175 27.852,8.175 27.852,7.825 27.332,7.825 26.182,6.675 21.798,6.675
  region net GND: 37.475,-11.775 36.975,-12.275 36.975,-15.425 37.325,-15.775 39.625,-15.775 40.25,-15.15 40.25,-12.55 39.475,-11.775 39.125,-11.775
  region net GND: 37.7,-2.625 37.2,-3.125 37.2,-6.275 37.55,-6.625 39.85,-6.625 40.475,-6 40.475,-3.4 39.7,-2.625 39.35,-2.625
  pour cut-out: 36.7,-6.5 37.125,-6.925 41,-6.925 41,-3.325 39.875,-2.2 37.3,-2.2 36.7,-2.8
  region net VIN: 27.477,8.85 27.577,8.95 29.827,8.95 30.277,9.4 30.277,9.85 32.027,9.85 32.027,8.325 28.027,8.325 28.027,8.45 27.477,8.45
  region net GND: 27.477,7.15 27.577,7.05 29.827,7.05 30.277,6.6 30.277,6.15 32.027,6.15 32.027,7.675 28.027,7.675 28.027,7.55 27.477,7.55
Layer 1:
  pour cut-out: 42.197,0 ccw(c44,0) 44,-1.803 ccw(c44,0) 45.803,0 ccw(c44,0) 44,1.803 ccw(c44,0)
  pour cut-out: 67.626,9.9 ccw(c68.9,9.9) 68.9,8.626 ccw(c68.9,9.9) 70.174,9.9 ccw(c68.9,9.9) 68.9,11.174 ccw(c68.9,9.9)
  pour cut-out: -73.774,12.71 ccw(c-72.5,12.71) -72.5,11.436 ccw(c-72.5,12.71) -71.226,12.71 ccw(c-72.5,12.71) -72.5,13.984 ccw(c-72.5,12.71)
  pour cut-out: -59.034,-17 ccw(c-56,-17) -56,-20.034 ccw(c-56,-17) -52.966,-17 ccw(c-56,-17) -56,-13.966 ccw(c-56,-17)
  pour cut-out: 86.966,-17 ccw(c90,-17) 90,-20.034 ccw(c90,-17) 93.034,-17 ccw(c90,-17) 90,-13.966 ccw(c90,-17)
  pour cut-out: 45.966,-17 ccw(c49,-17) 49,-20.034 ccw(c49,-17) 52.034,-17 ccw(c49,-17) 49,-13.966 ccw(c49,-17)
  pour cut-out: -18.034,-17 ccw(c-15,-17) -15,-20.034 ccw(c-15,-17) -11.966,-17 ccw(c-15,-17) -15,-13.966 ccw(c-15,-17)
Layer 2:
  pour cut-out: 42.197,0 ccw(c44,0) 44,-1.803 ccw(c44,0) 45.803,0 ccw(c44,0) 44,1.803 ccw(c44,0)
  pour cut-out: 86.966,-17 ccw(c90,-17) 90,-20.034 ccw(c90,-17) 93.034,-17 ccw(c90,-17) 90,-13.966 ccw(c90,-17)
  pour cut-out: 45.966,-17 ccw(c49,-17) 49,-20.034 ccw(c49,-17) 52.034,-17 ccw(c49,-17) 49,-13.966 ccw(c49,-17)
  pour cut-out: -18.034,-17 ccw(c-15,-17) -15,-20.034 ccw(c-15,-17) -11.966,-17 ccw(c-15,-17) -15,-13.966 ccw(c-15,-17)
  pour cut-out: -59.034,-17 ccw(c-56,-17) -56,-20.034 ccw(c-56,-17) -52.966,-17 ccw(c-56,-17) -56,-13.966 ccw(c-56,-17)

## Silkscreen, mask and mechanical layers (free items; w line width, h text height)
Top Overlay:
  drawing of 51 lines, arcs and shapes, not listed
  text "U1_RX" at -81.909,17.353 h1.2
  text "U1_TX" at -85.784,17.328 h1.2
  text "+3.3V" at -63.63,17.154 h1.2
  text "DM_LED1" at 6.123,16.09 h1.2
  text "DM_LED2" at 6.123,14.64 h1.2
  text "VCC_5V" at -58.549,13.172 h1.2
  text "VCC_5V" at -17.554,13.015 h1.2
  text "VCC_5V" at 46.446,13.025 h1.2
  text "VIN" at 87.446,13.017 h1.2
  text "GND" at -92.549,13 h1.2
  text "GND" at -51.549,13.01 h1.2
  text "GND" at 53.451,12.99 h1.2
  text "GND" at 12.451,12.984 h1.2
  text "DIN" at -88.429,10.47 h1.2
  text "DIN" at -13.429,10.47 h1.2
  text "DIN" at 16.571,10.47 h1.2
  text "OE" at -13.379,8.805 h1.2
  text "GND" at 70.988,8 h1.5
  text "OE" at -88.429,7.93 h1.2
  text "OE" at 16.571,7.93 h1.2
  text "JDY_PWRC" at -25.825,7.39 h1.2
  text "VIN" at 71.001,6.513 h1.5
  text "RCK" at -88.429,5.39 h1.2
  text "RCK" at -13.429,5.39 h1.2
  text "RCK" at 16.571,5.39 h1.2
  text "U2_TX" at -23.814,5.317 h1.2
  text "*SHDN" at 70.989,5.024 h1.5
  text "GND" at 41.451,3.99 h1.2
  text "VIN" at 46.446,3.99 h1.2
  text "SCK" at -88.429,2.85 h1.2
  text "SCK" at -13.429,2.85 h1.2
  text "SCK" at 16.571,2.85 h1.2
  text "U2_RX" at -23.8,2.763 h1.2
  text "GND" at 42.931,1.777 h1.2
  text "VIN" at 47.981,1.777 h1.2
  text "5V" at -88.429,0.31 h1.2
  text "5V" at -13.429,0.31 h1.2
  text "5V" at 16.571,0.31 h1.2
  text "GND" at -88.429,-2.23 h1.2
  text "LD1" at 11.344,-4.596 h1.2
  text "LD1" at -52.632,-4.629 h1.2
  text "LD1" at -85.825,-4.65 h1.2
  text "LD2" at -61.944,-4.773 h1.2
  text "LD2" at -20.944,-4.773 h1.2
  text "LD2" at 43.056,-4.773 h1.2
  text "LD1" at 12.644,-7.121 h1.2
  text "LD2" at 43.063,-7.336 h1.2
  text "I2C" at -65.65,-9.3 h1.2
  text "SCL" at -65.65,-10.685 h1.2
  text "SDA" at -62.975,-10.685 h1.2
  text "GND" at -92.543,-14.456 h1.2
  text "No NET" at -58.543,-14.456 h1.2
  text "GND" at -51.543,-14.456 h1.2
  text "170V" at -17.543,-14.456 h1.2
  text "170V" at -17.543,-14.456 h1.2
  text "GND" at 12.457,-14.456 h1.2
  text "170V" at 46.457,-14.456 h1.2
  text "GND" at 53.457,-14.456 h1.2
  text "170V" at 87.457,-14.456 h1.2
  text "JDY_STAT" at -41.018,-18.24 h1.2
Bottom Overlay:
  drawing of 38 lines, arcs and shapes, not listed
  text "XP5    PROG" at -67.225,18.605 h1.2
  text "U1_RX" at -78.338,17.345 h1.2
  text "U1_TX" at -82.241,17.328 h1.2
  text "+3.3V" at -60.22,17.154 h1.2
  text "XP1" at -38.375,16.655 h1.2
  text "XP2" at -32.375,16.655 h1.2
  text "XP3" at -26.375,16.655 h1.2
  text "XP4" at -20.375,16.655 h1.2
  text "DM_LED1" at 11.377,16.065 h1.2
  text "BTN_1" at -38.375,15.33 h1.2
  text "BTN_2" at -32.375,15.33 h1.2
  text "BTN_3" at -26.375,15.33 h1.2
  text "BTN_4" at -20.375,15.33 h1.2
  text "DM_LED2" at 11.377,14.615 h1.2
  text "GND" at -87.451,12.595 h1.5
  text "VCC_5V" at -53.446,12.595 h1.5
  text "GND" at -46.451,12.595 h1.5
  text "VCC_5V" at -12.446,12.595 h1.5
  text "GND" at 17.549,12.595 h1.5
  text "VCC_5V" at 51.554,12.595 h1.5
  text "GND" at 58.549,12.595 h1.5
  text "VIN" at 92.554,12.595 h1.5
  text "DIN" at -86.3,10.47 h1.2
  text "DIN" at -11.3,10.47 h1.2
  text "DIN" at 18.7,10.47 h1.2
  text "OE" at -11.25,8.805 h1.2
  text "GND" at 74.514,7.979 h1.5
  text "OE" at -86.3,7.93 h1.2
  text "OE" at 18.7,7.93 h1.2
  text "JDY_PWRC" at -20.194,7.365 h1.2
  text "VIN" at 74.5,6.45 h1.5
  text "RCK" at -86.3,5.39 h1.2
  text "RCK" at -11.3,5.39 h1.2
  text "RCK" at 18.7,5.39 h1.2
  text "U2_TX" at -20.243,5.328 h1.2
  text "*SHDN" at 76.996,4.94 h1.5
  text "GND" at 46.549,3.595 h1.5
  text "VIN" at 51.554,3.595 h1.5
  text "SCK" at -86.3,2.85 h1.2
  text "SCK" at -11.3,2.85 h1.2
  text "SCK" at 18.7,2.85 h1.2
  text "U2_RX" at -20.256,2.755 h1.2
  text "GND" at 45.138,1.772 h1.2
  text "VIN" at 49.863,1.771 h1.2
  text "5V" at -86.3,0.31 h1.2
  text "5V" at -11.3,0.31 h1.2
  text "5V" at 18.7,0.31 h1.2
  text "GND" at -86.3,-2.23 h1.2
  text "LD1" at 13.256,-4.596 h1.2
  text "LD1" at -50.72,-4.627 h1.2
  text "LD1" at -83.953,-4.653 h1.2
  text "LD2" at -60.052,-4.771 h1.2
  text "LD2" at -19.056,-4.773 h1.2
  text "LD2" at 44.949,-4.784 h1.2
  text "LD1" at 14.506,-7.121 h1.2
  text "LD2" at 44.942,-7.332 h1.2
  text "I2C" at -57.336,-9.242 h1.2
  text "SCL" at -60.02,-10.641 h1.2
  text "SDA" at -57.35,-10.635 h1.2
  text "GND" at -87.457,-14.456 h1.5
  text "No NET" at -53.457,-14.456 h1.5
  text "GND" at -46.457,-14.456 h1.5
  text "170V" at -12.457,-14.456 h1.2
  text "GND" at 17.543,-14.456 h1.5
  text "170V" at 51.543,-14.456 h1.2
  text "GND" at 58.543,-14.456 h1.5
  text "170V" at 92.543,-14.456 h1.2
  text "JDY_STAT" at -35.432,-18.24 h1.2
Top Solder:
  region: -83.406,17.462 -83.407,17.462 -83.407,17.463 -83.406,17.463 -83.406,17.462 -83.404,17.462 -83.404,17.461 -83.406,17.461 -83.406,17.462
  region: -76.332,17.671 -76.331,17.671 -76.331,17.67 -76.332,17.67
  region: -76.331,17.669 -76.331,17.67 -76.33,17.67 -76.33,17.669
  region: -75.837,17.569 -75.837,17.57 -75.837,17.569 -75.836,17.569 -75.836,17.568 -75.837,17.568 -75.837,17.569
Mechanical 2:
  the board outline again, w0.254

## Text inside footprints (layer, text, board x,y; h text height)
XP6: Bottom Overlay "+" at -73.135,-18.137 h1.42 r270; Mechanical 13 "+" at -73.136,-12.29 h1.42 r270